# KiCad board sizif128.kicad_pcb (continued)
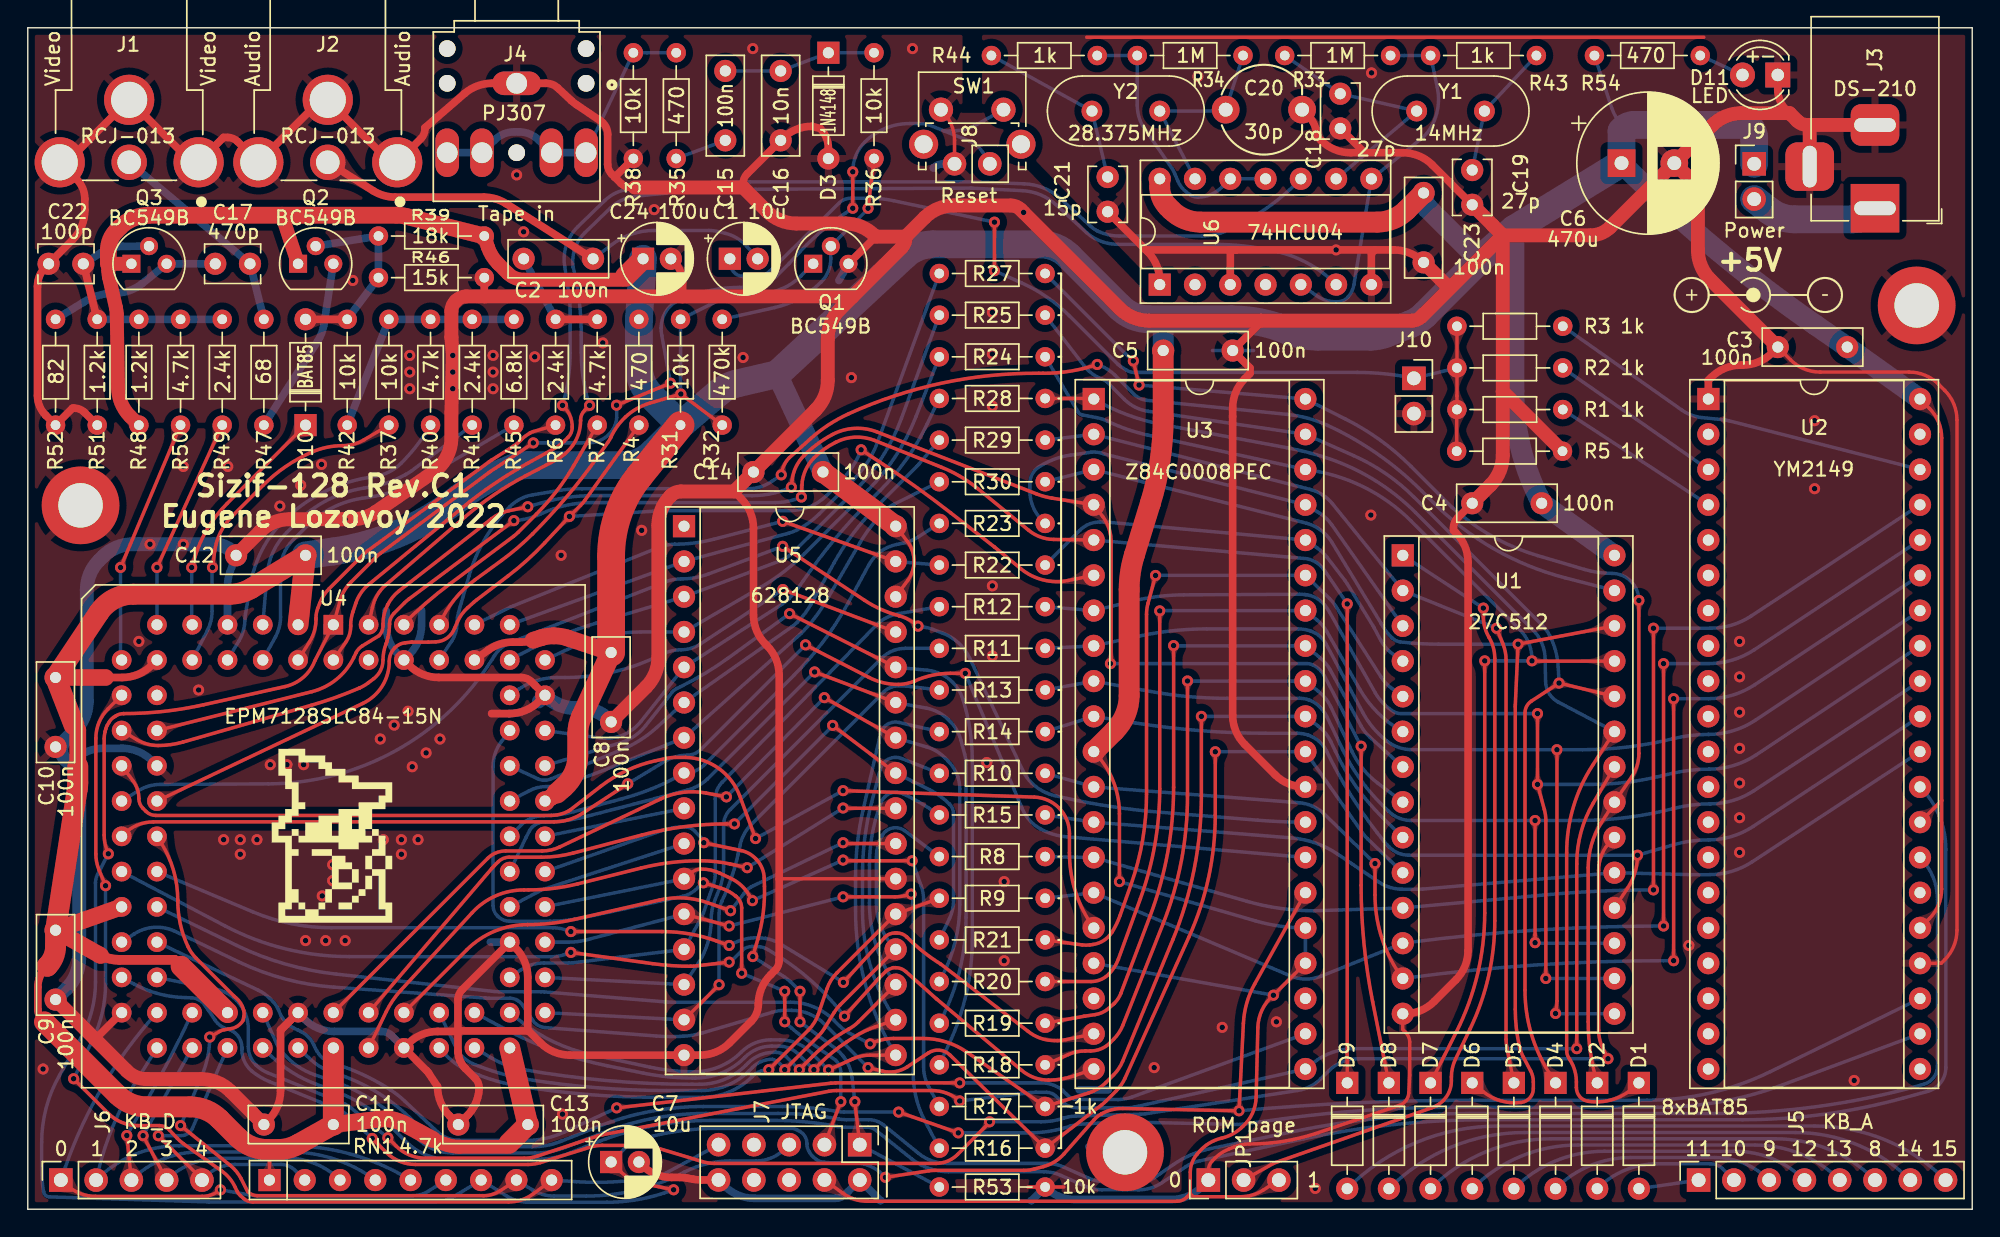
[diagram p0: board, top side]
## Copper pours and planes (outline as drawn; the poured copper is in the pictures) (continued)
TMS on Bottom: 52.63,3.36 52.94,3.39 53.2,3.43 53.43,3.48 53.62,3.53 53.8,3.58 53.98,3.64 54.16,3.69 54.37,3.74 54.6,3.77 54.88,3.8 55.14,4.93 54.04,4.99 53.85,4.54 53.76,4.35 53.67,4.17 53.57,4.02 53.44,3.89 53.29,3.78 53.11,3.7 52.88,3.64 52.61,3.61
TMS on Bottom: 11.35,7.17 11.29,7.04 11.24,6.92 11.19,6.83 11.14,6.75 11.09,6.68 11.04,6.61 10.98,6.55 10.91,6.48 10.83,6.41 10.74,6.33 10.92,5.84 11.4,6.04 11.39,6.17 11.39,6.28 11.39,6.37 11.4,6.46 11.41,6.54 11.42,6.63 11.45,6.72 11.48,6.82 11.53,6.94 11.58,7.07
VA0 on Top: 48.82,20.97 48.64,21.03 48.5,21.1 48.39,21.17 48.3,21.25 48.22,21.34 48.15,21.43 48.07,21.53 47.99,21.64 47.89,21.75 47.77,21.87 46.86,21.36 47.4,20.47 47.57,20.51 47.71,20.56 47.83,20.61 47.94,20.67 48.05,20.71 48.16,20.75 48.28,20.78 48.42,20.78 48.57,20.77 48.76,20.73
VA0 on Top: 59.89,22.63 59.75,22.63 59.62,22.63 59.52,22.64 59.42,22.65 59.34,22.67 59.25,22.69 59.17,22.72 59.08,22.76 58.99,22.81 58.87,22.86 58.5,22.5 58.87,22.14 58.99,22.19 59.08,22.24 59.17,22.28 59.25,22.31 59.34,22.33 59.42,22.35 59.52,22.36 59.62,22.37 59.75,22.37 59.89,22.38
VA0 on Top: 49.59,20.77 49.31,20.85 49.08,20.93 48.88,21.01 48.71,21.1 48.56,21.19 48.42,21.3 48.28,21.41 48.13,21.54 47.97,21.7 47.77,21.87 46.86,21.36 47.4,20.47 47.66,20.53 47.88,20.58 48.07,20.62 48.25,20.65 48.43,20.67 48.6,20.68 48.79,20.67 49,20.64 49.24,20.6 49.53,20.53
VA0 on Top: 49.32,20.58 49.46,20.55 49.57,20.51 49.68,20.47 49.76,20.44 49.84,20.4 49.91,20.35 49.99,20.3 50.06,20.25 50.15,20.18 50.24,20.1 50.69,20.35 50.42,20.79 50.3,20.77 50.2,20.75 50.1,20.74 50.01,20.73 49.93,20.73 49.84,20.73 49.75,20.74 49.64,20.76 49.52,20.79 49.38,20.83
VA0 on Bottom: 40.33,19.56 39.96,19.46 39.64,19.39 39.35,19.35 39.09,19.35 38.85,19.37 38.62,19.42 38.39,19.5 38.14,19.6 37.86,19.73 37.55,19.88 36.88,19.24 37.55,18.6 37.87,18.75 38.16,18.85 38.41,18.93 38.65,18.98 38.88,19.02 39.13,19.05 39.39,19.09 39.68,19.14 40.01,19.22 40.41,19.32
VA0 on Bottom: 64.87,5.57 64.94,5.42 64.98,5.29 65,5.18 65.01,5.07 65,4.97 64.98,4.87 64.96,4.76 64.94,4.65 64.93,4.52 64.93,4.37 65.79,4.09 66.04,4.96 65.92,5.05 65.81,5.11 65.7,5.16 65.61,5.2 65.51,5.24 65.42,5.29 65.34,5.36 65.26,5.44 65.17,5.55 65.09,5.69
VA0 on Bottom: 64.54,6.19 64.66,5.96 64.75,5.76 64.81,5.59 64.86,5.43 64.89,5.28 64.91,5.13 64.92,4.97 64.92,4.8 64.92,4.6 64.93,4.37 65.79,4.09 66.04,4.96 65.86,5.1 65.7,5.21 65.56,5.31 65.43,5.41 65.32,5.51 65.21,5.62 65.11,5.75 65,5.9 64.89,6.08 64.76,6.31
VA0 on Bottom: 38.66,19.36 38.49,19.37 38.36,19.4 38.24,19.43 38.14,19.48 38.06,19.53 37.97,19.6 37.89,19.67 37.79,19.74 37.68,19.81 37.55,19.88 36.88,19.24 37.55,18.6 37.68,18.67 37.79,18.74 37.89,18.81 37.97,18.88 38.06,18.95 38.14,19 38.24,19.05 38.36,19.08 38.49,19.11 38.66,19.11
VA0 on Bottom: 44.97,20.53 45.26,20.6 45.5,20.64 45.71,20.67 45.9,20.68 46.07,20.67 46.25,20.65 46.43,20.62 46.62,20.58 46.84,20.53 47.1,20.47 47.64,21.36 46.73,21.87 46.53,21.7 46.37,21.54 46.22,21.41 46.08,21.3 45.94,21.19 45.79,21.1 45.62,21.01 45.42,20.93 45.19,20.85 44.91,20.77
VA0 on Bottom: 45.74,20.73 45.93,20.77 46.08,20.78 46.22,20.78 46.34,20.75 46.45,20.71 46.56,20.67 46.67,20.61 46.79,20.56 46.93,20.51 47.1,20.47 47.64,21.36 46.73,21.87 46.61,21.75 46.51,21.64 46.43,21.53 46.35,21.43 46.28,21.34 46.2,21.25 46.11,21.17 46,21.1 45.86,21.03 45.68,20.97
VA0 on Bottom: 63.86,21.21 63.88,21.41 63.89,21.57 63.91,21.96 63.92,22.08 63.93,22.19 63.94,22.32 63.97,22.46 63.99,22.63 63.55,22.89 63.3,22.43 63.4,22.32 63.47,22.22 63.53,22.12 63.58,22.02 63.61,21.92 63.63,21.81 63.64,21.69 63.63,21.55 63.63,21.4 63.61,21.23
VA1 on Top: 48.46,24.63 48.3,24.62 48.16,24.62 48.04,24.61 47.73,24.59 47.63,24.59 47.54,24.59 47.44,24.59 47.33,24.6 46.93,23.56 48.04,23.67 48.05,23.76 48.06,23.85 48.07,23.94 48.09,24.04 48.11,24.13 48.15,24.21 48.2,24.27 48.26,24.33 48.35,24.36 48.46,24.38
VA1 on Top: 48.46,24.63 48.33,24.62 48.22,24.61 48.11,24.59 48.01,24.57 47.84,24.53 47.76,24.51 47.7,24.5 47.65,24.51 47.6,24.52 46.93,23.56 48.03,23.96 48.03,23.99 48.04,24.04 48.06,24.09 48.09,24.15 48.13,24.2 48.17,24.26 48.23,24.3 48.3,24.34 48.37,24.37 48.46,24.38
VA1 on Top: 62.49,24.97 62.63,24.97 62.75,24.97 62.86,24.96 62.95,24.95 63.04,24.93 63.12,24.91 63.2,24.88 63.29,24.84 63.39,24.79 63.5,24.74 63.88,25.1 63.5,25.46 63.39,25.41 63.29,25.36 63.2,25.32 63.12,25.29 63.04,25.27 62.95,25.25 62.86,25.24 62.75,25.23 62.63,25.23 62.49,25.22
VA1 on Top: 51.33,23.2 51.44,23.09 51.52,22.99 51.59,22.9 51.65,22.81 51.69,22.73 51.71,22.64 51.74,22.54 51.75,22.44 51.76,22.32 51.78,22.19 52.28,22.05 52.39,22.56 52.28,22.64 52.18,22.71 52.09,22.78 52.02,22.85 51.95,22.92 51.88,22.99 51.72,23.16 51.62,23.26 51.5,23.38
VA1 on Bottom: 57.67,24.55 57.8,24.61 57.91,24.65 58.01,24.69 58.1,24.72 58.19,24.73 58.27,24.75 58.36,24.75 58.46,24.75 58.56,24.75 58.69,24.75 58.88,25.23 58.39,25.41 58.31,25.31 58.24,25.23 58.18,25.16 58.11,25.1 58.05,25.04 57.98,24.99 57.9,24.94 57.8,24.89 57.69,24.84 57.56,24.78
VA1 on Bottom: 64.19,24.02 64.15,24.16 64.11,24.28 64.08,24.38 64.06,24.47 64.05,24.56 64.04,24.64 64.04,24.73 64.05,24.83 64.06,24.93 64.07,25.06 63.61,25.29 63.4,24.81 63.48,24.73 63.56,24.65 63.62,24.58 63.68,24.51 63.73,24.44 63.78,24.37 63.82,24.28 63.86,24.19 63.91,24.07 63.96,23.94
VA1 on Bottom: 64.38,10.17 64.4,9.78 64.45,9.46 64.51,9.18 64.58,8.93 64.65,8.71 64.73,8.49 64.8,8.27 64.86,8.01 64.91,7.72 64.93,7.38 65.8,7.09 66.04,7.97 65.77,8.16 65.54,8.33 65.33,8.49 65.15,8.66 65,8.83 64.87,9.03 64.77,9.25 64.7,9.51 64.65,9.82 64.63,10.18
VA1 on Bottom: 39.31,22.32 39.05,22.28 38.83,22.25 38.64,22.23 38.47,22.23 38.32,22.25 38.16,22.27 38.01,22.31 37.83,22.36 37.64,22.41 37.42,22.47 36.89,21.71 37.67,21.21 37.85,21.36 38.01,21.48 38.15,21.59 38.28,21.68 38.41,21.77 38.55,21.84 38.71,21.9 38.89,21.97 39.1,22.02 39.35,22.08
VA1 on Bottom: 38.61,22.18 38.44,22.16 38.3,22.15 38.18,22.17 38.08,22.19 37.98,22.23 37.89,22.28 37.79,22.33 37.68,22.38 37.56,22.42 37.42,22.47 36.89,21.71 37.67,21.21 37.79,21.31 37.88,21.4 37.96,21.49 38.03,21.57 38.1,21.65 38.17,21.72 38.26,21.79 38.37,21.85 38.5,21.9 38.66,21.94
VA1 on Bottom: 53.21,22.83 53.08,22.77 52.96,22.72 52.86,22.69 52.77,22.66 52.69,22.64 52.6,22.63 52.51,22.62 52.42,22.62 52.31,22.62 52.19,22.62 51.99,22.14 52.48,21.97 52.56,22.06 52.63,22.14 52.7,22.21 52.76,22.28 52.83,22.33 52.9,22.38 52.98,22.43 53.07,22.48 53.18,22.54 53.31,22.6
VA1 on Bottom: 64.86,8.56 64.93,8.42 64.98,8.29 65,8.17 65,8.07 64.99,7.97 64.98,7.87 64.96,7.76 64.94,7.65 64.93,7.52 64.93,7.37 65.8,7.09 66.04,7.97 65.92,8.05 65.8,8.11 65.7,8.16 65.6,8.2 65.51,8.24 65.42,8.29 65.33,8.35 65.25,8.44 65.17,8.54 65.08,8.68
VA1 on Bottom: 44.93,23.2 45.22,23.26 45.47,23.29 45.68,23.3 45.87,23.3 46.04,23.28 46.21,23.25 46.39,23.21 46.58,23.15 46.8,23.09 47.05,23.03 47.64,23.88 46.77,24.44 46.56,24.28 46.38,24.14 46.23,24.01 46.08,23.9 45.94,23.81 45.78,23.72 45.61,23.65 45.41,23.58 45.17,23.51 44.88,23.45
VA1 on Bottom: 45.72,23.36 45.9,23.39 46.06,23.39 46.19,23.38 46.31,23.35 46.42,23.3 46.52,23.25 46.63,23.19 46.75,23.13 46.89,23.08 47.05,23.03 47.64,23.88 46.77,24.44 46.64,24.33 46.53,24.22 46.44,24.12 46.36,24.03 46.29,23.94 46.21,23.85 46.11,23.78 45.99,23.71 45.85,23.65 45.67,23.61
VA2 on Top: 55.97,42.47 55.84,42.54 55.73,42.6 55.64,42.66 55.56,42.71 55.5,42.76 55.43,42.82 55.37,42.89 55.31,42.96 55.24,43.04 55.17,43.14 54.67,42.99 54.84,42.5 54.97,42.5 55.07,42.49 55.17,42.49 55.26,42.48 55.34,42.46 55.43,42.44 55.52,42.41 55.61,42.37 55.73,42.32 55.86,42.25
VA2 on Top: 61.01,39.65 61.18,39.55 61.3,39.46 61.4,39.36 61.47,39.27 61.53,39.16 61.58,39.06 61.63,38.94 61.68,38.82 61.76,38.69 61.85,38.55 62.85,38.86 62.5,39.84 62.33,39.83 62.19,39.82 62.05,39.79 61.93,39.77 61.82,39.74 61.7,39.73 61.58,39.73 61.45,39.75 61.3,39.79 61.13,39.87
VA2 on Top: 60.3,40.01 60.56,39.87 60.77,39.74 60.95,39.62 61.09,39.5 61.22,39.38 61.33,39.25 61.45,39.11 61.57,38.95 61.7,38.76 61.85,38.55 62.85,38.86 62.5,39.84 62.24,39.84 62.02,39.84 61.82,39.84 61.64,39.85 61.46,39.86 61.29,39.89 61.11,39.94 60.9,40.01 60.68,40.1 60.41,40.23
VA2 on Bottom: 66.76,13.25 66.63,12.89 66.5,12.59 66.39,12.32 66.27,12.1 66.15,11.9 66.01,11.71 65.86,11.54 65.67,11.36 65.45,11.16 65.19,10.94 65.48,10.08 66.33,10.41 66.33,10.75 66.34,11.05 66.37,11.3 66.41,11.54 66.47,11.76 66.54,11.98 66.63,12.22 66.73,12.49 66.86,12.8 67,13.17
VA2 on Bottom: 66.3,38.37 65.89,38.64 65.52,38.82 65.18,38.94 64.87,39.02 64.57,39.07 64.27,39.12 63.97,39.19 63.66,39.29 63.33,39.45 62.96,39.69 62.09,39.08 62.77,38.29 63.17,38.44 63.53,38.57 63.86,38.68 64.17,38.76 64.47,38.8 64.77,38.79 65.08,38.73 65.41,38.61 65.76,38.42 66.15,38.17
VA2 on Bottom: 38.56,32.47 38.4,32.43 38.26,32.42 38.14,32.42 38.04,32.43 37.94,32.46 37.84,32.5 37.74,32.54 37.62,32.58 37.5,32.61 37.35,32.64 36.9,31.84 37.72,31.42 37.83,31.53 37.91,31.63 37.98,31.72 38.05,31.81 38.11,31.9 38.18,31.98 38.25,32.05 38.35,32.12 38.48,32.18 38.64,32.24
VA2 on Bottom: 66.1,11.71 66.03,11.57 65.95,11.46 65.87,11.37 65.79,11.3 65.7,11.25 65.61,11.2 65.52,11.15 65.42,11.1 65.31,11.03 65.19,10.94 65.48,10.08 66.33,10.41 66.32,10.56 66.3,10.68 66.28,10.8 66.25,10.9 66.23,11 66.22,11.1 66.22,11.21 66.23,11.32 66.27,11.46 66.33,11.61
VA2 on Bottom: 39.24,32.68 38.99,32.61 38.78,32.56 38.59,32.53 38.42,32.51 38.26,32.51 38.11,32.52 37.95,32.54 37.78,32.57 37.58,32.61 37.35,32.64 36.9,31.84 37.72,31.42 37.89,31.58 38.04,31.72 38.17,31.84 38.29,31.94 38.41,32.04 38.54,32.13 38.69,32.21 38.86,32.28 39.07,32.36 39.32,32.44
VA2 on Bottom: 64.08,39.01 63.9,39.04 63.75,39.08 63.63,39.14 63.52,39.2 63.43,39.28 63.35,39.36 63.26,39.44 63.16,39.54 63.05,39.63 62.91,39.72 62.09,39.08 62.77,38.29 62.92,38.36 63.06,38.43 63.17,38.5 63.27,38.57 63.37,38.63 63.47,38.69 63.59,38.73 63.72,38.76 63.87,38.77 64.06,38.77
VA2 on Bottom: 53.96,42.1 54.08,42.18 54.18,42.25 54.27,42.31 54.35,42.35 54.43,42.39 54.51,42.42 54.6,42.44 54.69,42.46 54.8,42.48 54.92,42.51 55.01,43.02 54.5,43.09 54.44,42.98 54.39,42.89 54.34,42.8 54.29,42.73 54.23,42.66 54.18,42.6 54.11,42.53 54.03,42.47 53.93,42.39 53.81,42.3
VA3 on Top: 57.81,38.4 57.67,38.45 57.56,38.5 57.46,38.54 57.38,38.59 57.31,38.63 57.24,38.69 57.17,38.74 57.1,38.81 57.03,38.89 56.94,38.98 56.46,38.77 56.69,38.3 56.81,38.31 56.92,38.32 57.01,38.32 57.1,38.32 57.19,38.32 57.27,38.3 57.37,38.28 57.47,38.25 57.58,38.21 57.72,38.16
VA3 on Top: 60.21,37.23 60.48,37.12 60.71,37.01 60.89,36.91 61.05,36.81 61.19,36.7 61.32,36.58 61.45,36.45 61.58,36.31 61.73,36.14 61.91,35.95 62.86,36.36 62.42,37.3 62.16,37.27 61.93,37.25 61.74,37.22 61.55,37.21 61.38,37.21 61.2,37.22 61.02,37.24 60.81,37.29 60.57,37.36 60.3,37.46
VA3 on Top: 60.96,36.94 61.13,36.87 61.26,36.79 61.37,36.7 61.45,36.62 61.52,36.52 61.58,36.42 61.64,36.31 61.71,36.2 61.8,36.08 61.91,35.95 62.86,36.36 62.42,37.3 62.25,37.27 62.1,37.24 61.98,37.2 61.86,37.16 61.75,37.13 61.63,37.1 61.51,37.09 61.38,37.09 61.22,37.12 61.05,37.18
VA3 on Bottom: 55.9,37.77 56,37.87 56.09,37.96 56.17,38.02 56.25,38.08 56.32,38.13 56.39,38.17 56.47,38.21 56.56,38.24 56.66,38.28 56.78,38.32 56.79,38.84 56.27,38.83 56.23,38.71 56.19,38.61 56.16,38.52 56.12,38.44 56.08,38.37 56.03,38.3 55.97,38.22 55.91,38.14 55.82,38.05 55.72,37.95
VA3 on Bottom: 35.51,26.3 35.39,26.06 35.28,25.87 35.18,25.71 35.08,25.58 34.97,25.46 34.86,25.35 34.74,25.25 34.6,25.14 34.44,25.02 34.26,24.88 34.55,24 35.41,24.32 35.41,24.56 35.4,24.76 35.4,24.93 35.4,25.09 35.42,25.25 35.44,25.4 35.48,25.57 35.54,25.75 35.62,25.95 35.73,26.19
VA3 on Bottom: 64.08,36.34 63.89,36.38 63.75,36.43 63.63,36.5 63.53,36.57 63.45,36.65 63.37,36.74 63.29,36.84 63.2,36.93 63.09,37.04 62.96,37.15 62.1,36.57 62.7,35.73 62.86,35.78 63,35.84 63.12,35.9 63.23,35.96 63.33,36.02 63.44,36.06 63.56,36.1 63.69,36.12 63.85,36.11 64.03,36.09
VA3 on Bottom: 66.21,35.5 65.83,35.8 65.48,36.02 65.15,36.17 64.85,36.27 64.55,36.35 64.27,36.43 63.97,36.52 63.67,36.65 63.36,36.84 63.01,37.1 62.1,36.57 62.7,35.73 63.11,35.84 63.48,35.94 63.82,36.02 64.13,36.07 64.44,36.08 64.73,36.05 65.03,35.96 65.35,35.82 65.68,35.6 66.05,35.31
VA3 on Bottom: 66.13,14.71 66.05,14.57 65.98,14.46 65.9,14.37 65.82,14.3 65.73,14.25 65.64,14.2 65.54,14.16 65.44,14.1 65.32,14.04 65.2,13.95 65.47,13.09 66.33,13.39 66.33,13.54 66.31,13.67 66.29,13.79 66.27,13.89 66.25,13.99 66.24,14.1 66.24,14.2 66.26,14.32 66.3,14.46 66.36,14.61
VA3 on Bottom: 66.39,15.36 66.29,15.12 66.2,14.93 66.11,14.77 66.01,14.63 65.91,14.52 65.8,14.41 65.68,14.31 65.54,14.21 65.38,14.09 65.2,13.95 65.47,13.09 66.33,13.39 66.33,13.62 66.33,13.82 66.33,14 66.34,14.16 66.35,14.31 66.38,14.46 66.41,14.63 66.46,14.81 66.53,15.02 66.62,15.27
VA3 on Bottom: 35.2,25.66 35.12,25.51 35.04,25.4 34.96,25.31 34.87,25.24 34.79,25.18 34.69,25.14 34.6,25.09 34.49,25.03 34.38,24.96 34.26,24.88 34.55,24 35.41,24.32 35.4,24.47 35.39,24.61 35.36,24.72 35.34,24.83 35.32,24.93 35.31,25.03 35.31,25.14 35.32,25.26 35.36,25.39 35.42,25.55
VA4 on Top: 61.04,34.63 61.2,34.53 61.32,34.43 61.41,34.33 61.48,34.23 61.53,34.13 61.58,34.02 61.62,33.9 61.68,33.78 61.74,33.65 61.83,33.5 62.84,33.76 62.54,34.76 62.37,34.76 62.22,34.75 62.09,34.73 61.97,34.71 61.85,34.69 61.73,34.68 61.61,34.69 61.48,34.71 61.33,34.76 61.17,34.85
VA4 on Top: 58.45,36.38 58.32,36.45 58.22,36.51 58.13,36.57 58.05,36.63 57.99,36.69 57.93,36.75 57.87,36.81 57.81,36.89 57.75,36.98 57.68,37.08 57.18,36.95 57.33,36.45 57.45,36.44 57.56,36.43 57.65,36.42 57.74,36.41 57.82,36.39 57.91,36.36 57.99,36.33 58.09,36.28 58.2,36.23 58.33,36.16
VA4 on Top: 22.92,15.25 22.79,15.14 22.68,15.06 22.57,15 22.47,14.97 22.37,14.95 22.27,14.93 22.16,14.92 22.04,14.9 21.91,14.87 21.77,14.83 21.75,13.91 22.67,13.93 22.71,14.07 22.74,14.2 22.76,14.32 22.77,14.43 22.79,14.53 22.81,14.63 22.84,14.73 22.9,14.84 22.98,14.95 23.09,15.08
VA4 on Top: 60.35,35.02 60.6,34.87 60.8,34.74 60.97,34.61 61.12,34.48 61.24,34.36 61.35,34.22 61.45,34.07 61.56,33.91 61.69,33.72 61.83,33.5 62.84,33.76 62.54,34.76 62.28,34.77 62.05,34.78 61.85,34.79 61.67,34.8 61.5,34.83 61.33,34.86 61.15,34.92 60.95,35 60.73,35.1 60.47,35.24
VA4 on Top: 23.42,15.76 23.23,15.58 23.07,15.43 22.92,15.31 22.77,15.22 22.64,15.15 22.5,15.08 22.34,15.03 22.18,14.97 21.99,14.91 21.77,14.83 21.75,13.91 22.67,13.93 22.75,14.15 22.81,14.34 22.87,14.5 22.92,14.66 22.99,14.8 23.06,14.93 23.15,15.08 23.27,15.23 23.42,15.39 23.6,15.58
VA4 on Bottom: 64.05,33.63 63.87,33.69 63.73,33.76 63.62,33.84 63.53,33.92 63.46,34.01 63.39,34.11 63.32,34.21 63.24,34.32 63.15,34.43 63.03,34.55 62.11,34.07 62.62,33.17 62.78,33.21 62.93,33.25 63.05,33.3 63.17,33.35 63.28,33.39 63.39,33.42 63.51,33.45 63.64,33.45 63.8,33.43 63.98,33.39
VA4 on Bottom: 66.18,32.54 65.82,32.89 65.48,33.15 65.17,33.33 64.86,33.47 64.57,33.58 64.28,33.69 64,33.81 63.7,33.97 63.4,34.2 63.08,34.5 62.11,34.07 62.62,33.17 63.05,33.24 63.44,33.3 63.79,33.35 64.12,33.36 64.43,33.34 64.73,33.27 65.03,33.15 65.34,32.97 65.66,32.71 66,32.37
VA4 on Bottom: 56.6,35.91 56.71,36.02 56.8,36.1 56.88,36.17 56.95,36.23 57.02,36.28 57.1,36.32 57.18,36.36 57.27,36.39 57.37,36.43 57.48,36.47 57.49,36.99 56.97,36.98 56.93,36.86 56.89,36.76 56.86,36.67 56.82,36.59 56.78,36.52 56.73,36.44 56.68,36.37 56.61,36.28 56.53,36.19 56.43,36.09
VA4 on Bottom: 51.05,30.64 50.94,30.53 50.85,30.45 50.77,30.38 50.7,30.32 50.63,30.27 50.55,30.23 50.47,30.19 50.38,30.16 50.28,30.12 50.17,30.08 50.16,29.56 50.68,29.57 50.72,29.69 50.76,29.79 50.79,29.88 50.83,29.96 50.87,30.03 50.92,30.11 50.97,30.18 51.04,30.27 51.12,30.36 51.22,30.46
VA4 on Bottom: 66.38,18.36 66.29,18.12 66.2,17.93 66.11,17.77 66.02,17.63 65.92,17.52 65.81,17.41 65.68,17.31 65.55,17.21 65.39,17.09 65.21,16.96 65.47,16.09 66.33,16.39 66.33,16.62 66.34,16.82 66.34,16.99 66.35,17.15 66.36,17.31 66.38,17.46 66.42,17.63 66.46,17.81 66.53,18.03 66.61,18.28
VA4 on Bottom: 66.13,17.71 66.06,17.56 65.99,17.45 65.91,17.37 65.83,17.3 65.74,17.25 65.65,17.2 65.55,17.16 65.44,17.1 65.33,17.04 65.21,16.96 65.47,16.09 66.33,16.39 66.33,16.54 66.31,16.67 66.3,16.78 66.28,16.89 66.26,16.99 66.25,17.09 66.25,17.2 66.27,17.32 66.3,17.46 66.36,17.61
VA5 on Top: 49.51,27.61 49.68,27.62 49.82,27.62 49.95,27.62 50.06,27.61 50.16,27.6 50.26,27.58 50.36,27.55 50.46,27.51 50.58,27.46 50.71,27.39 51.08,27.76 50.71,28.11 50.57,28.05 50.46,28 50.35,27.96 50.25,27.93 50.16,27.91 50.05,27.9 49.94,27.88 49.82,27.88 49.67,27.87 49.5,27.86
VA5 on Top: 25.83,15.86 25.66,15.67 25.5,15.51 25.36,15.38 25.23,15.28 25.1,15.19 24.96,15.12 24.81,15.05 24.65,14.98 24.47,14.9 24.25,14.81 24.31,13.89 25.23,13.98 25.28,14.2 25.33,14.4 25.38,14.57 25.42,14.73 25.47,14.87 25.54,15.02 25.62,15.16 25.72,15.32 25.85,15.5 26.02,15.7
VA5 on Top: 25.37,15.32 25.25,15.2 25.15,15.11 25.05,15.05 24.95,15 24.85,14.97 24.74,14.95 24.64,14.93 24.52,14.9 24.39,14.87 24.25,14.81 24.31,13.89 25.23,13.98 25.26,14.13 25.28,14.26 25.28,14.38 25.29,14.49 25.29,14.59 25.31,14.69 25.34,14.8 25.38,14.91 25.46,15.03 25.56,15.16
VA5 on Top: 60.51,32.76 60.74,32.58 60.92,32.42 61.08,32.27 61.2,32.12 61.3,31.98 61.39,31.83 61.48,31.67 61.56,31.49 61.66,31.29 61.78,31.06 62.81,31.18 62.65,32.2 62.39,32.25 62.17,32.29 61.97,32.33 61.79,32.36 61.63,32.41 61.46,32.47 61.29,32.55 61.1,32.65 60.9,32.79 60.66,32.96
VA5 on Top: 61.15,32.28 61.29,32.16 61.4,32.04 61.47,31.93 61.53,31.82 61.56,31.71 61.59,31.6 61.62,31.48 61.66,31.35 61.71,31.21 61.78,31.06 62.81,31.18 62.65,32.2 62.48,32.23 62.33,32.24 62.2,32.24 62.07,32.23 61.95,32.23 61.84,32.24 61.72,32.26 61.59,32.3 61.45,32.37 61.3,32.48
VA5 on Top: 58.97,34.23 58.86,34.32 58.77,34.4 58.69,34.47 58.62,34.54 58.56,34.6 58.51,34.67 58.46,34.74 58.41,34.83 58.36,34.92 58.31,35.03 57.79,34.97 57.87,34.46 57.99,34.43 58.1,34.41 58.19,34.39 58.28,34.36 58.36,34.33 58.44,34.29 58.52,34.25 58.61,34.19 58.71,34.12 58.82,34.03
VA5 on Bottom: 66.11,20.71 66.04,20.57 65.96,20.45 65.88,20.37 65.8,20.3 65.71,20.25 65.62,20.2 65.52,20.15 65.42,20.1 65.31,20.03 65.19,19.95 65.48,19.08 66.33,19.4 66.32,19.55 66.3,19.68 66.28,19.79 66.26,19.9 66.24,20 66.22,20.1 66.22,20.2 66.24,20.32 66.28,20.45 66.34,20.6
VA5 on Bottom: 64.69,30.47 64.43,30.61 64.21,30.73 64.04,30.85 63.89,30.97 63.76,31.09 63.65,31.22 63.53,31.36 63.41,31.52 63.28,31.7 63.12,31.91 62.13,31.6 62.48,30.62 62.74,30.62 62.97,30.62 63.17,30.63 63.35,30.62 63.52,30.61 63.7,30.58 63.88,30.54 64.08,30.47 64.31,30.37 64.58,30.25
VA5 on Bottom: 57.2,33.9 57.3,34 57.4,34.09 57.48,34.16 57.56,34.22 57.63,34.27 57.71,34.31 57.79,34.35 57.88,34.39 57.98,34.43 58.1,34.48 58.09,35 57.57,34.96 57.53,34.85 57.5,34.74 57.46,34.65 57.43,34.57 57.38,34.5 57.34,34.42 57.28,34.35 57.21,34.27 57.12,34.18 57.02,34.07
VA5 on Bottom: 66.53,22.3 66.52,21.92 66.49,21.6 66.43,21.33 66.34,21.1 66.22,20.89 66.07,20.71 65.9,20.53 65.69,20.35 65.46,20.16 65.19,19.95 65.48,19.08 66.33,19.42 66.34,19.77 66.37,20.07 66.42,20.33 66.48,20.57 66.56,20.79 66.63,21.03 66.69,21.28 66.74,21.57 66.77,21.9 66.78,22.3
VA5 on Bottom: 51.63,28.68 51.53,28.58 51.44,28.5 51.36,28.43 51.28,28.37 51.21,28.33 51.14,28.28 51.06,28.25 50.97,28.21 50.87,28.17 50.75,28.13 50.74,27.61 51.26,27.62 51.3,27.74 51.34,27.84 51.37,27.93 51.41,28.01 51.45,28.09 51.5,28.16 51.56,28.23 51.62,28.31 51.71,28.41 51.81,28.51
VA5 on Bottom: 63.97,30.83 63.81,30.92 63.68,31.01 63.59,31.11 63.51,31.2 63.45,31.3 63.4,31.41 63.35,31.52 63.29,31.64 63.22,31.77 63.12,31.91 62.13,31.6 62.48,30.62 62.65,30.63 62.8,30.65 62.93,30.67 63.05,30.7 63.17,30.72 63.28,30.74 63.41,30.74 63.54,30.72 63.69,30.68 63.86,30.6
VA6 on Top: 60.95,47.07 61.12,47 61.26,46.93 61.36,46.84 61.45,46.76 61.52,46.66 61.58,46.56 61.65,46.46 61.72,46.34 61.81,46.22 61.92,46.1 62.87,46.53 62.4,47.46 62.23,47.43 62.09,47.39 61.96,47.35 61.85,47.31 61.73,47.27 61.62,47.24 61.5,47.23 61.37,47.23 61.21,47.26 61.03,47.31
VA6 on Top: 60.2,47.34 60.47,47.24 60.7,47.14 60.89,47.04 61.05,46.94 61.19,46.84 61.32,46.72 61.45,46.59 61.58,46.45 61.74,46.29 61.92,46.1 62.87,46.53 62.4,47.46 62.14,47.42 61.92,47.39 61.72,47.37 61.54,47.35 61.37,47.34 61.19,47.35 61,47.37 60.8,47.42 60.56,47.48 60.28,47.58
VA6 on Top: 55.51,49.27 55.38,49.32 55.26,49.36 55.17,49.41 55.08,49.45 55.01,49.5 54.94,49.55 54.87,49.6 54.8,49.67 54.72,49.74 54.63,49.83 54.16,49.62 54.39,49.15 54.52,49.17 54.62,49.18 54.72,49.18 54.81,49.18 54.89,49.18 54.98,49.17 55.07,49.15 55.18,49.12 55.29,49.08 55.43,49.03
VA6 on Bottom: 63.54,46.45 63.79,46.42 64.01,46.39 64.19,46.35 64.35,46.31 64.49,46.25 64.63,46.18 64.76,46.11 64.91,46.02 65.08,45.91 65.27,45.8 65.98,46.37 65.38,47.05 65.17,46.97 64.99,46.9 64.82,46.83 64.68,46.78 64.53,46.74 64.38,46.7 64.21,46.68 64.03,46.68 63.81,46.68 63.56,46.7
VA6 on Bottom: 33.38,42.84 33.23,42.77 33.09,42.73 32.98,42.71 32.87,42.71 32.76,42.72 32.66,42.74 32.55,42.77 32.44,42.79 32.31,42.81 32.16,42.81 31.84,41.94 32.72,41.66 32.81,41.78 32.87,41.9 32.93,42 32.98,42.1 33.02,42.2 33.08,42.28 33.14,42.37 33.23,42.45 33.35,42.53 33.49,42.61
VA6 on Bottom: 64.88,46.59 64.59,46.62 64.35,46.65 64.14,46.7 63.96,46.76 63.79,46.82 63.64,46.9 63.48,46.99 63.31,47.09 63.12,47.21 62.9,47.35 62.09,46.69 62.78,45.91 63.02,46.01 63.23,46.1 63.41,46.17 63.58,46.23 63.75,46.29 63.92,46.32 64.11,46.35 64.32,46.36 64.57,46.36 64.86,46.34
VA6 on Bottom: 64.23,46.39 64.4,46.37 64.53,46.34 64.64,46.29 64.73,46.24 64.81,46.18 64.88,46.11 64.96,46.03 65.05,45.96 65.15,45.88 65.27,45.8 65.98,46.37 65.38,47.05 65.24,46.99 65.13,46.93 65.03,46.87 64.94,46.81 64.86,46.76 64.77,46.71 64.67,46.67 64.55,46.65 64.42,46.63 64.26,46.64
VA6 on Bottom: 64.08,46.65 63.9,46.68 63.75,46.72 63.62,46.77 63.52,46.83 63.43,46.91 63.34,46.99 63.25,47.07 63.16,47.16 63.04,47.26 62.9,47.35 62.09,46.69 62.78,45.91 62.93,45.98 63.06,46.05 63.18,46.13 63.28,46.2 63.38,46.26 63.48,46.32 63.59,46.36 63.72,46.4 63.88,46.41 64.06,46.4
VA6 on Bottom: 34.02,43.15 33.78,43.04 33.58,42.96 33.4,42.89 33.24,42.85 33.08,42.83 32.93,42.81 32.77,42.81 32.59,42.81 32.39,42.81 32.16,42.81 31.84,41.94 32.72,41.66 32.86,41.84 32.98,42 33.09,42.14 33.19,42.27 33.3,42.38 33.41,42.49 33.55,42.59 33.71,42.7 33.9,42.81 34.13,42.93
VA7 on Bottom: 45.15,30.24 45.43,30.35 45.66,30.44 45.87,30.5 46.06,30.54 46.24,30.57 46.41,30.59 46.6,30.6 47.03,30.61 47.29,30.62 47.6,31.61 46.6,31.88 46.45,31.67 46.32,31.49 46.21,31.32 46.1,31.18 45.99,31.05 45.86,30.92 45.71,30.81 45.53,30.7 45.32,30.59 45.05,30.47
VA7 on Bottom: 62.77,47.82 63.18,47.88 63.53,47.96 63.82,48.05 64.07,48.16 64.3,48.27 64.53,48.38 64.77,48.48 65.03,48.57 65.34,48.65 65.7,48.7 65.92,49.59 65.03,49.77 64.85,49.46 64.68,49.19 64.52,48.96 64.35,48.75 64.17,48.57 63.97,48.42 63.74,48.29 63.46,48.2 63.13,48.12 62.74,48.06
VA7 on Bottom: 36.71,28.43 36.41,28.36 36.15,28.28 35.94,28.19 35.76,28.09 35.59,27.99 35.43,27.89 35.26,27.79 35.07,27.7 34.84,27.62 34.57,27.56 34.45,26.61 35.37,26.63 35.53,27.1 35.61,27.31 35.69,27.5 35.79,27.66 35.91,27.81 36.06,27.93 36.25,28.04 36.48,28.12 36.76,28.19
VA7 on Bottom: 64.53,48.55 64.67,48.63 64.79,48.68 64.91,48.71 65.01,48.72 65.11,48.72 65.22,48.71 65.32,48.7 65.44,48.7 65.57,48.69 65.71,48.7 65.92,49.59 65.03,49.77 64.96,49.64 64.91,49.52 64.87,49.41 64.83,49.31 64.8,49.21 64.76,49.12 64.7,49.03 64.63,48.94 64.53,48.85 64.39,48.76
VA7 on Bottom: 49.18,32.65 48.99,32.48 48.83,32.34 48.67,32.24 48.52,32.16 48.36,32.11 48.21,32.09 48.04,32.08 47.87,32.1 47.67,32.14 47.46,32.19 46.86,31.34 47.82,30.85 48.01,31.05 48.17,31.21 48.31,31.36 48.43,31.5 48.67,31.76 48.8,31.91 48.96,32.07 49.14,32.26 49.35,32.48
VA7 on Bottom: 48.61,32.09 48.49,31.99 48.38,31.93 48.27,31.91 48.17,31.91 48.06,31.94 47.96,31.98 47.73,32.09 47.6,32.15 47.46,32.19 46.86,31.34 47.81,30.85 47.94,30.98 48.04,31.08 48.12,31.18 48.2,31.27 48.35,31.45 48.44,31.54 48.53,31.65 48.65,31.77 48.79,31.91
VA7 on Bottom: 45.88,30.57 46.06,30.64 46.22,30.68 46.35,30.7 46.48,30.7 46.59,30.69 46.71,30.67 46.83,30.65 46.97,30.63 47.12,30.62 47.29,30.62 47.6,31.61 46.6,31.88 46.51,31.74 46.44,31.61 46.38,31.49 46.34,31.37 46.29,31.26 46.23,31.16 46.16,31.06 46.07,30.97 45.94,30.88 45.78,30.79
VA7 on Bottom: 36.01,28.19 35.81,28.08 35.63,27.99 35.48,27.92 35.35,27.86 35.22,27.8 35.1,27.76 34.97,27.71 34.82,27.66 34.47,27.53 34.45,26.61 35.37,26.63 35.43,26.81 35.47,26.98 35.5,27.13 35.54,27.27 35.58,27.4 35.63,27.52 35.71,27.64 35.81,27.75 35.95,27.86 36.13,27.97
VA8 on Bottom: 65.24,60.06 65.31,60.21 65.38,60.33 65.45,60.42 65.53,60.49 65.61,60.55 65.7,60.6 65.79,60.66 65.89,60.72 65.99,60.79 66.11,60.89 65.76,61.73 64.93,61.34 64.95,61.2 64.98,61.07 65.01,60.96 65.04,60.86 65.07,60.76 65.09,60.66 65.1,60.56 65.09,60.44 65.06,60.31 65.01,60.15
VA8 on Bottom: 38.47,40.28 38.32,40.22 38.18,40.18 38.06,40.16 37.96,40.16 37.85,40.18 37.75,40.2 37.64,40.22 37.53,40.24 37.4,40.26 37.25,40.27 36.92,39.41 37.79,39.11 37.88,39.23 37.95,39.35 38.01,39.45 38.06,39.55 38.11,39.64 38.16,39.73 38.23,39.81 38.32,39.9 38.43,39.98 38.58,40.05
